# KiCad board TI-CUBE-Protoboard.kicad_pcb
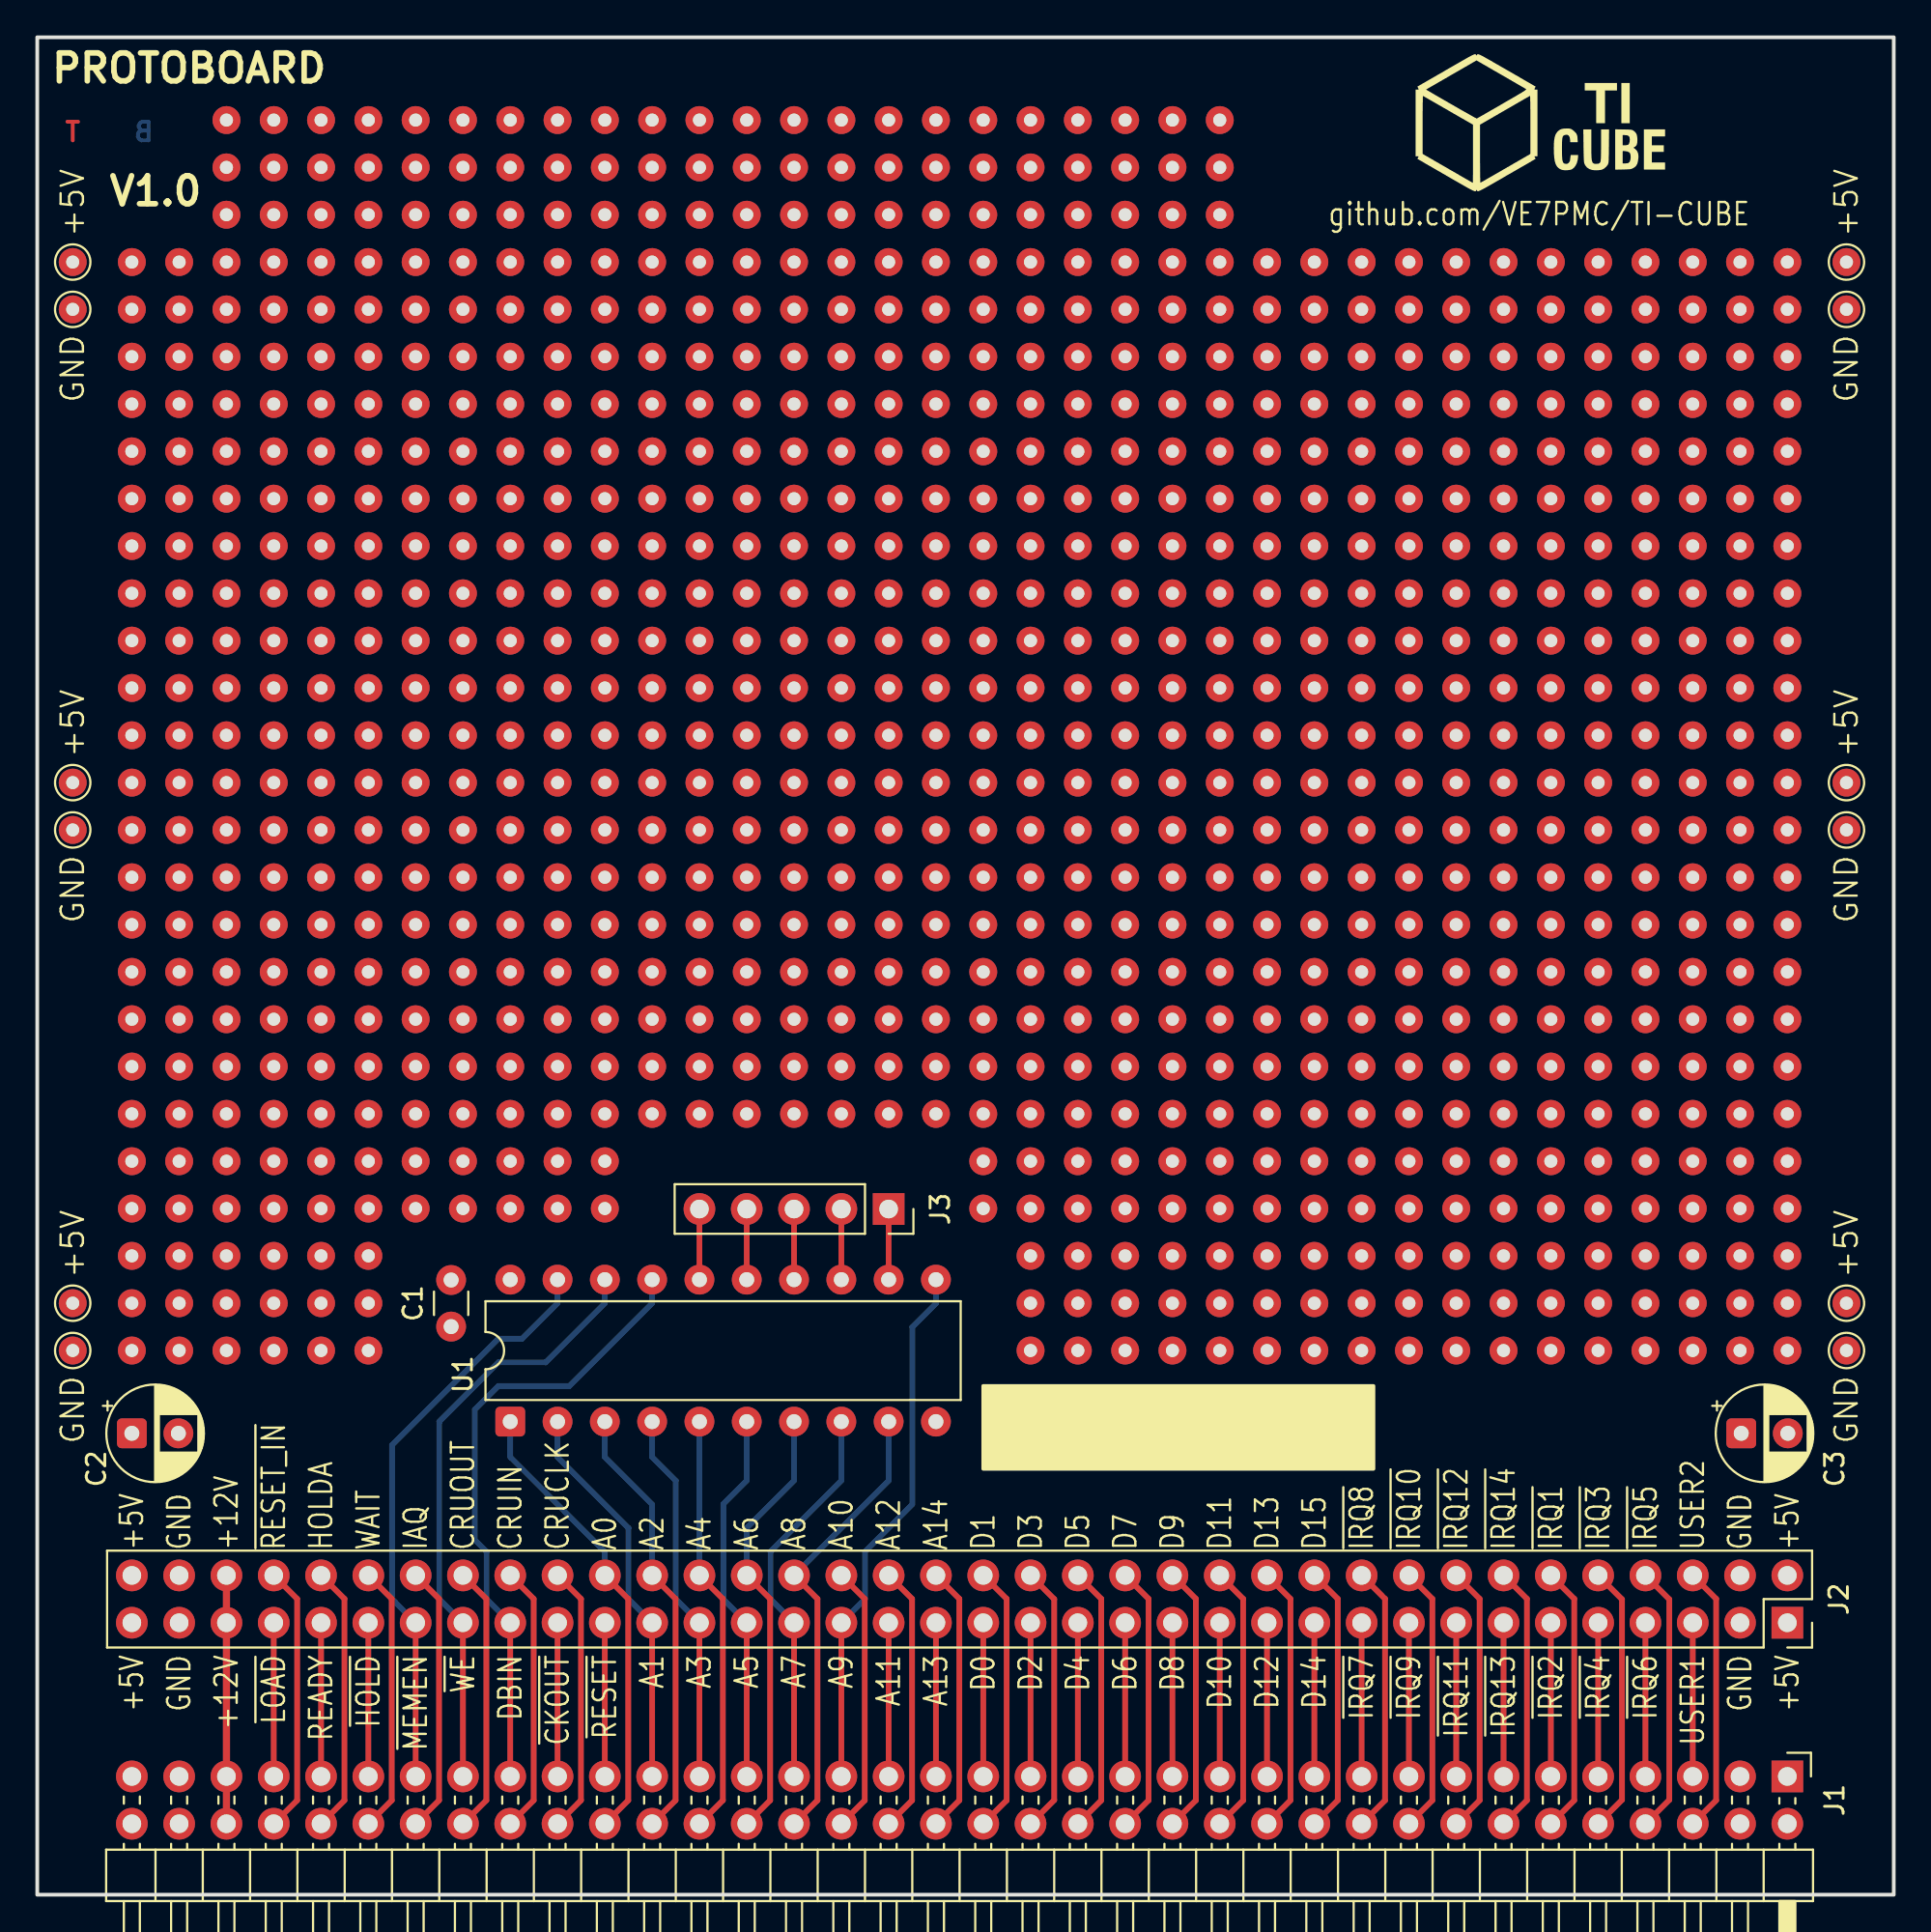
[diagram p0: board, top side]
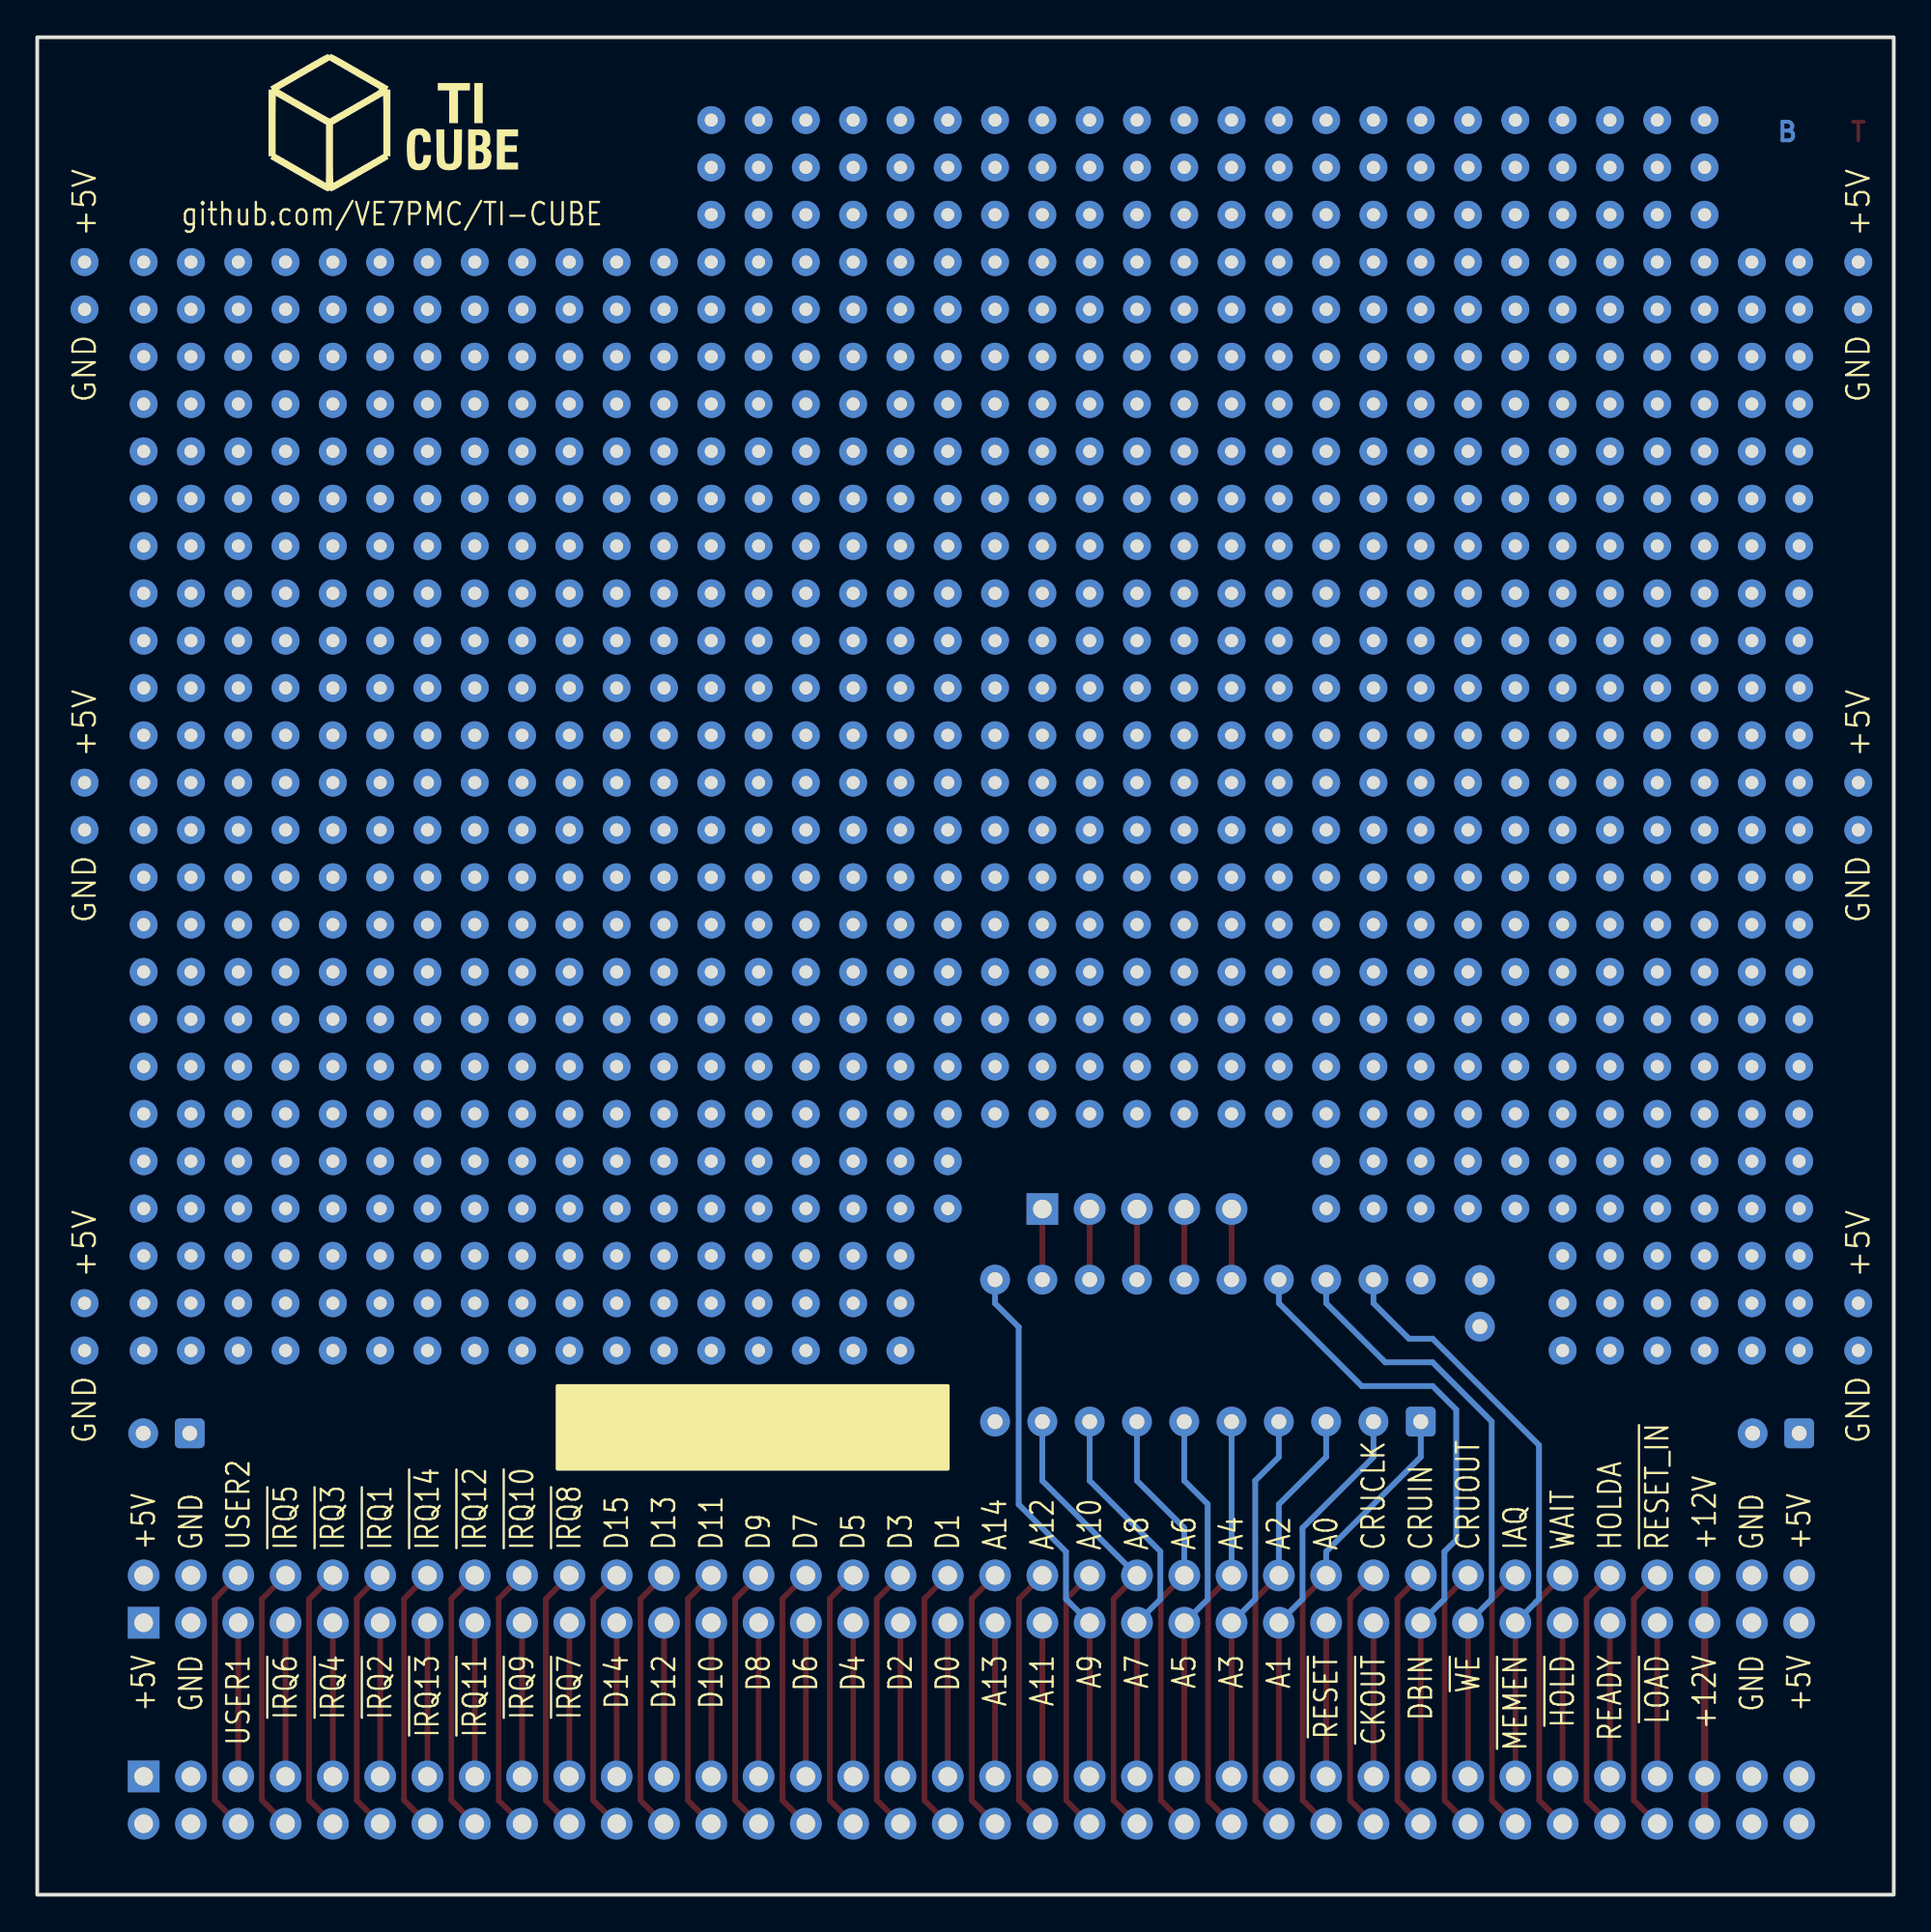
[diagram p1: board, bottom side, seen from below]

Outline 99.7 x 99.7 mm; copper layers: Top, In1.Cu (plane), In2.Cu (plane), Bottom. Coordinates in mm from the lower left corner of the outline.
Outline path: rectangle 0,99.7 99.7,0
Stack: Top 0.035mm / dielectric 0.1mm FR4 er 4.5 / In1.Cu 0.035mm / dielectric 1.24mm FR4 er 4.5 / In2.Cu 0.035mm / dielectric 0.1mm FR4 er 4.5 / Bottom 0.035mm

## Placement (name value [footprint] x y rotation side)
C1  0.1 uF  [C_Ceramic_Cap_P2.50mm]  22.23 30.49 90 top
C2  47 uF  [CP_Radial_D5.0mm_P2.50mm]  5.08 24.77 0 top
C3  47 uF  [CP_Radial_D5.0mm_P2.50mm]  91.5 24.77 0 top
G***  LOGO  [TI CUBE logo]  80.64 95.25 0 top
G***#2  LOGO  [TI CUBE logo]  80.64 95.25 180 bottom
GND1  GND  [TestPoint_THTPad_D1.5mm_Drill0.7mm]  97.16 85.09 0 top
GND2  GND  [TestPoint_THTPad_D1.5mm_Drill0.7mm]  97.16 57.15 0 top
GND3  GND  [TestPoint_THTPad_D1.5mm_Drill0.7mm]  97.16 29.21 0 top
GND4  GND  [TestPoint_THTPad_D1.5mm_Drill0.7mm]  1.91 85.09 0 top
GND5  GND  [TestPoint_THTPad_D1.5mm_Drill0.7mm]  1.91 57.15 0 top
GND6  GND  [TestPoint_THTPad_D1.5mm_Drill0.7mm]  1.91 29.21 0 top
J1  TI CUBE bus  [PinHeader_2x36_P2.54mm_Horizontal]  93.98 6.35 270 top
J2  Proto bus  [PinSocket_2x36_P2.54mm_Vertical]  93.98 14.6 270 top
J3  Conn_01x05  [PinSocket_1x05_P2.54mm_Vertical]  45.72 36.81 270 top
PWR1  +5V  [TestPoint_THTPad_D1.5mm_Drill0.7mm]  97.16 87.63 0 top
PWR2  +5V  [TestPoint_THTPad_D1.5mm_Drill0.7mm]  97.16 59.69 0 top
PWR3  +5V  [TestPoint_THTPad_D1.5mm_Drill0.7mm]  97.16 31.75 0 top
PWR4  +5V  [TestPoint_THTPad_D1.5mm_Drill0.7mm]  1.91 87.63 0 top
PWR5  +5V  [TestPoint_THTPad_D1.5mm_Drill0.7mm]  1.91 59.69 0 top
PWR6  +5V  [TestPoint_THTPad_D1.5mm_Drill0.7mm]  1.91 31.75 0 top
REF**  -  [TestPoint_THTPad_D1.5mm_Drill0.7mm]  43.18 87.63 0 top
REF**#2  -  [TestPoint_THTPad_D1.5mm_Drill0.7mm]  83.82 80.01 0 top
REF**#3  -  [TestPoint_THTPad_D1.5mm_Drill0.7mm]  88.9 52.07 0 top
REF**#4  -  [TestPoint_THTPad_D1.5mm_Drill0.7mm]  71.12 29.21 0 top
REF**#5  -  [TestPoint_THTPad_D1.5mm_Drill0.7mm]  20.32 67.31 0 top
REF**#6  -  [TestPoint_THTPad_D1.5mm_Drill0.7mm]  27.94 46.99 0 top
REF**#7  -  [TestPoint_THTPad_D1.5mm_Drill0.7mm]  10.16 34.29 0 top
REF**#8  -  [TestPoint_THTPad_D1.5mm_Drill0.7mm]  50.8 44.45 0 top
REF**#9  -  [TestPoint_THTPad_D1.5mm_Drill0.7mm]  76.2 57.15 0 top
REF**#10  -  [TestPoint_THTPad_D1.5mm_Drill0.7mm]  68.58 69.85 0 top
REF**#11  -  [TestPoint_THTPad_D1.5mm_Drill0.7mm]  53.34 59.69 0 top
REF**#12  -  [TestPoint_THTPad_D1.5mm_Drill0.7mm]  15.24 44.45 0 top
REF**#13  -  [TestPoint_THTPad_D1.5mm_Drill0.7mm]  48.26 85.09 0 top
REF**#14  -  [TestPoint_THTPad_D1.5mm_Drill0.7mm]  27.94 36.83 0 top
REF**#15  -  [TestPoint_THTPad_D1.5mm_Drill0.7mm]  25.4 77.47 0 top
REF**#16  -  [TestPoint_THTPad_D1.5mm_Drill0.7mm]  53.34 90.17 0 top
REF**#17  -  [TestPoint_THTPad_D1.5mm_Drill0.7mm]  10.16 31.75 0 top
REF**#18  -  [TestPoint_THTPad_D1.5mm_Drill0.7mm]  76.2 31.75 0 top
REF**#19  -  [TestPoint_THTPad_D1.5mm_Drill0.7mm]  12.7 87.63 0 top
REF**#20  -  [TestPoint_THTPad_D1.5mm_Drill0.7mm]  55.88 41.91 0 top
REF**#21  -  [TestPoint_THTPad_D1.5mm_Drill0.7mm]  78.74 34.29 0 top
REF**#22  -  [TestPoint_THTPad_D1.5mm_Drill0.7mm]  73.66 57.15 0 top
REF**#23  -  [TestPoint_THTPad_D1.5mm_Drill0.7mm]  15.24 39.37 0 top
REF**#24  -  [TestPoint_THTPad_D1.5mm_Drill0.7mm]  27.94 69.85 0 top
REF**#25  -  [TestPoint_THTPad_D1.5mm_Drill0.7mm]  86.36 29.21 0 top
REF**#26  -  [TestPoint_THTPad_D1.5mm_Drill0.7mm]  66.04 72.39 0 top
REF**#27  -  [TestPoint_THTPad_D1.5mm_Drill0.7mm]  10.16 46.99 0 top
REF**#28  -  [TestPoint_THTPad_D1.5mm_Drill0.7mm]  93.98 69.85 0 top
REF**#29  -  [TestPoint_THTPad_D1.5mm_Drill0.7mm]  53.34 69.85 0 top
REF**#30  -  [TestPoint_THTPad_D1.5mm_Drill0.7mm]  48.26 74.93 0 top
REF**#31  -  [TestPoint_THTPad_D1.5mm_Drill0.7mm]  15.24 54.61 0 top
REF**#32  -  [TestPoint_THTPad_D1.5mm_Drill0.7mm]  71.12 87.63 0 top
REF**#33  -  [TestPoint_THTPad_D1.5mm_Drill0.7mm]  73.66 31.75 0 top
REF**#34  -  [TestPoint_THTPad_D1.5mm_Drill0.7mm]  10.16 74.93 0 top
REF**#35  -  [TestPoint_THTPad_D1.5mm_Drill0.7mm]  12.7 59.69 0 top
REF**#36  -  [TestPoint_THTPad_D1.5mm_Drill0.7mm]  33.02 92.71 0 top
REF**#37  -  [TestPoint_THTPad_D1.5mm_Drill0.7mm]  73.66 49.53 0 top
REF**#38  -  [TestPoint_THTPad_D1.5mm_Drill0.7mm]  30.48 46.99 0 top
REF**#39  -  [TestPoint_THTPad_D1.5mm_Drill0.7mm]  15.24 80.01 0 top
REF**#40  -  [TestPoint_THTPad_D1.5mm_Drill0.7mm]  73.66 59.69 0 top
REF**#41  -  [TestPoint_THTPad_D1.5mm_Drill0.7mm]  55.88 36.83 0 top
REF**#42  -  [TestPoint_THTPad_D1.5mm_Drill0.7mm]  40.64 80.01 0 top
REF**#43  -  [TestPoint_THTPad_D1.5mm_Drill0.7mm]  66.04 67.31 0 top
REF**#44  -  [TestPoint_THTPad_D1.5mm_Drill0.7mm]  91.44 46.99 0 top
REF**#45  -  [TestPoint_THTPad_D1.5mm_Drill0.7mm]  73.66 67.31 0 top
REF**#46  -  [TestPoint_THTPad_D1.5mm_Drill0.7mm]  63.5 59.69 0 top
REF**#47  -  [TestPoint_THTPad_D1.5mm_Drill0.7mm]  12.7 62.23 0 top
REF**#48  -  [TestPoint_THTPad_D1.5mm_Drill0.7mm]  86.36 39.37 0 top
REF**#49  -  [TestPoint_THTPad_D1.5mm_Drill0.7mm]  30.48 80.01 0 top
REF**#50  -  [TestPoint_THTPad_D1.5mm_Drill0.7mm]  38.1 82.55 0 top
REF**#51  -  [TestPoint_THTPad_D1.5mm_Drill0.7mm]  43.18 69.85 0 top
REF**#52  -  [TestPoint_THTPad_D1.5mm_Drill0.7mm]  45.72 46.99 0 top
REF**#53  -  [TestPoint_THTPad_D1.5mm_Drill0.7mm]  22.86 85.09 0 top
REF**#54  -  [TestPoint_THTPad_D1.5mm_Drill0.7mm]  40.64 54.61 0 top
REF**#55  -  [TestPoint_THTPad_D1.5mm_Drill0.7mm]  50.8 82.55 0 top
REF**#56  -  [TestPoint_THTPad_D1.5mm_Drill0.7mm]  25.4 54.61 0 top
REF**#57  -  [TestPoint_THTPad_D1.5mm_Drill0.7mm]  20.32 82.55 0 top
REF**#58  -  [TestPoint_THTPad_D1.5mm_Drill0.7mm]  48.26 80.01 0 top
REF**#59  -  [TestPoint_THTPad_D1.5mm_Drill0.7mm]  5.08 31.75 0 top
REF**#60  -  [TestPoint_THTPad_D1.5mm_Drill0.7mm]  25.4 36.83 0 top
REF**#61  -  [TestPoint_THTPad_D1.5mm_Drill0.7mm]  25.4 59.69 0 top
REF**#62  -  [TestPoint_THTPad_D1.5mm_Drill0.7mm]  60.96 29.21 0 top
REF**#63  -  [TestPoint_THTPad_D1.5mm_Drill0.7mm]  35.56 46.99 0 top
REF**#64  -  [TestPoint_THTPad_D1.5mm_Drill0.7mm]  17.78 95.25 0 top
REF**#65  -  [TestPoint_THTPad_D1.5mm_Drill0.7mm]  60.96 39.37 0 top
REF**#66  -  [TestPoint_THTPad_D1.5mm_Drill0.7mm]  73.66 72.39 0 top
REF**#67  -  [TestPoint_THTPad_D1.5mm_Drill0.7mm]  7.62 77.47 0 top
REF**#68  -  [TestPoint_THTPad_D1.5mm_Drill0.7mm]  48.26 90.17 0 top
REF**#69  -  [TestPoint_THTPad_D1.5mm_Drill0.7mm]  7.62 82.55 0 top
REF**#70  -  [TestPoint_THTPad_D1.5mm_Drill0.7mm]  78.74 62.23 0 top
REF**#71  -  [TestPoint_THTPad_D1.5mm_Drill0.7mm]  68.58 49.53 0 top
REF**#72  -  [TestPoint_THTPad_D1.5mm_Drill0.7mm]  53.34 52.07 0 top
REF**#73  -  [TestPoint_THTPad_D1.5mm_Drill0.7mm]  30.48 62.23 0 top
REF**#74  -  [TestPoint_THTPad_D1.5mm_Drill0.7mm]  83.82 39.37 0 top
REF**#75  -  [TestPoint_THTPad_D1.5mm_Drill0.7mm]  91.44 29.21 0 top
REF**#76  -  [TestPoint_THTPad_D1.5mm_Drill0.7mm]  40.64 87.63 0 top
REF**#77  -  [TestPoint_THTPad_D1.5mm_Drill0.7mm]  63.5 36.83 0 top
REF**#78  -  [TestPoint_THTPad_D1.5mm_Drill0.7mm]  27.94 77.47 0 top
REF**#79  -  [TestPoint_THTPad_D1.5mm_Drill0.7mm]  17.78 80.01 0 top
REF**#80  -  [TestPoint_THTPad_D1.5mm_Drill0.7mm]  60.96 44.45 0 top
REF**#81  -  [TestPoint_THTPad_D1.5mm_Drill0.7mm]  30.48 41.91 0 top
REF**#82  -  [TestPoint_THTPad_D1.5mm_Drill0.7mm]  50.8 77.47 0 top
REF**#83  -  [TestPoint_THTPad_D1.5mm_Drill0.7mm]  5.08 36.83 0 top
REF**#84  -  [TestPoint_THTPad_D1.5mm_Drill0.7mm]  68.58 85.09 0 top
REF**#85  -  [TestPoint_THTPad_D1.5mm_Drill0.7mm]  78.74 31.75 0 top
REF**#86  -  [TestPoint_THTPad_D1.5mm_Drill0.7mm]  30.48 52.07 0 top
REF**#87  -  [TestPoint_THTPad_D1.5mm_Drill0.7mm]  60.96 69.85 0 top
REF**#88  -  [TestPoint_THTPad_D1.5mm_Drill0.7mm]  83.82 41.91 0 top
REF**#89  -  [TestPoint_THTPad_D1.5mm_Drill0.7mm]  43.18 72.39 0 top
REF**#90  -  [TestPoint_THTPad_D1.5mm_Drill0.7mm]  53.34 62.23 0 top
REF**#91  -  [TestPoint_THTPad_D1.5mm_Drill0.7mm]  7.62 49.53 0 top
REF**#92  -  [TestPoint_THTPad_D1.5mm_Drill0.7mm]  30.48 92.71 0 top
REF**#93  -  [TestPoint_THTPad_D1.5mm_Drill0.7mm]  86.36 41.91 0 top
REF**#94  -  [TestPoint_THTPad_D1.5mm_Drill0.7mm]  27.94 80.01 0 top
REF**#95  -  [TestPoint_THTPad_D1.5mm_Drill0.7mm]  86.36 69.85 0 top
REF**#96  -  [TestPoint_THTPad_D1.5mm_Drill0.7mm]  55.88 49.53 0 top
REF**#97  -  [TestPoint_THTPad_D1.5mm_Drill0.7mm]  38.1 92.71 0 top
REF**#98  -  [TestPoint_THTPad_D1.5mm_Drill0.7mm]  22.86 44.45 0 top
REF**#99  -  [TestPoint_THTPad_D1.5mm_Drill0.7mm]  35.56 54.61 0 top
REF**#100  -  [TestPoint_THTPad_D1.5mm_Drill0.7mm]  71.12 77.47 0 top
REF**#101  -  [TestPoint_THTPad_D1.5mm_Drill0.7mm]  48.26 44.45 0 top
REF**#102  -  [TestPoint_THTPad_D1.5mm_Drill0.7mm]  27.94 49.53 0 top
REF**#103  -  [TestPoint_THTPad_D1.5mm_Drill0.7mm]  68.58 44.45 0 top
REF**#104  -  [TestPoint_THTPad_D1.5mm_Drill0.7mm]  88.9 82.55 0 top
REF**#105  -  [TestPoint_THTPad_D1.5mm_Drill0.7mm]  22.86 62.23 0 top
REF**#106  -  [TestPoint_THTPad_D1.5mm_Drill0.7mm]  7.62 29.21 0 top
REF**#107  -  [TestPoint_THTPad_D1.5mm_Drill0.7mm]  83.82 31.75 0 top
REF**#108  -  [TestPoint_THTPad_D1.5mm_Drill0.7mm]  12.7 82.55 0 top
REF**#109  -  [TestPoint_THTPad_D1.5mm_Drill0.7mm]  93.98 74.93 0 top
REF**#110  -  [TestPoint_THTPad_D1.5mm_Drill0.7mm]  76.2 69.85 0 top
REF**#111  -  [TestPoint_THTPad_D1.5mm_Drill0.7mm]  83.82 87.63 0 top
REF**#112  -  [TestPoint_THTPad_D1.5mm_Drill0.7mm]  22.86 49.53 0 top
REF**#113  -  [TestPoint_THTPad_D1.5mm_Drill0.7mm]  35.56 69.85 0 top
REF**#114  -  [TestPoint_THTPad_D1.5mm_Drill0.7mm]  81.28 72.39 0 top
REF**#115  -  [TestPoint_THTPad_D1.5mm_Drill0.7mm]  78.74 82.55 0 top
REF**#116  -  [TestPoint_THTPad_D1.5mm_Drill0.7mm]  35.56 95.25 0 top
REF**#117  -  [TestPoint_THTPad_D1.5mm_Drill0.7mm]  73.66 62.23 0 top
REF**#118  -  [TestPoint_THTPad_D1.5mm_Drill0.7mm]  25.4 44.45 0 top
REF**#119  -  [TestPoint_THTPad_D1.5mm_Drill0.7mm]  17.78 82.55 0 top
REF**#120  -  [TestPoint_THTPad_D1.5mm_Drill0.7mm]  71.12 72.39 0 top
REF**#121  -  [TestPoint_THTPad_D1.5mm_Drill0.7mm]  10.16 29.21 0 top
REF**#122  -  [TestPoint_THTPad_D1.5mm_Drill0.7mm]  48.26 46.99 0 top
REF**#123  -  [TestPoint_THTPad_D1.5mm_Drill0.7mm]  86.36 85.09 0 top
REF**#124  -  [TestPoint_THTPad_D1.5mm_Drill0.7mm]  58.42 85.09 0 top
REF**#125  -  [TestPoint_THTPad_D1.5mm_Drill0.7mm]  27.94 82.55 0 top
REF**#126  -  [TestPoint_THTPad_D1.5mm_Drill0.7mm]  68.58 41.91 0 top
REF**#127  -  [TestPoint_THTPad_D1.5mm_Drill0.7mm]  25.4 85.09 0 top
REF**#128  -  [TestPoint_THTPad_D1.5mm_Drill0.7mm]  58.42 29.21 0 top
REF**#129  -  [TestPoint_THTPad_D1.5mm_Drill0.7mm]  20.32 90.17 0 top
REF**#130  -  [TestPoint_THTPad_D1.5mm_Drill0.7mm]  22.86 59.69 0 top
REF**#131  -  [TestPoint_THTPad_D1.5mm_Drill0.7mm]  12.7 67.31 0 top
REF**#132  -  [TestPoint_THTPad_D1.5mm_Drill0.7mm]  10.16 36.83 0 top
REF**#133  -  [TestPoint_THTPad_D1.5mm_Drill0.7mm]  45.72 92.71 0 top
REF**#134  -  [TestPoint_THTPad_D1.5mm_Drill0.7mm]  83.82 34.29 0 top
REF**#135  -  [TestPoint_THTPad_D1.5mm_Drill0.7mm]  17.78 67.31 0 top
REF**#136  -  [TestPoint_THTPad_D1.5mm_Drill0.7mm]  40.64 85.09 0 top
REF**#137  -  [TestPoint_THTPad_D1.5mm_Drill0.7mm]  10.16 69.85 0 top
REF**#138  -  [TestPoint_THTPad_D1.5mm_Drill0.7mm]  15.24 95.25 0 top
REF**#139  -  [TestPoint_THTPad_D1.5mm_Drill0.7mm]  25.4 64.77 0 top
REF**#140  -  [TestPoint_THTPad_D1.5mm_Drill0.7mm]  22.86 41.91 0 top
REF**#141  -  [TestPoint_THTPad_D1.5mm_Drill0.7mm]  53.34 80.01 0 top
REF**#142  -  [TestPoint_THTPad_D1.5mm_Drill0.7mm]  15.24 41.91 0 top
REF**#143  -  [TestPoint_THTPad_D1.5mm_Drill0.7mm]  5.08 57.15 0 top
REF**#144  -  [TestPoint_THTPad_D1.5mm_Drill0.7mm]  66.04 64.77 0 top
REF**#145  -  [TestPoint_THTPad_D1.5mm_Drill0.7mm]  86.36 59.69 0 top
REF**#146  -  [TestPoint_THTPad_D1.5mm_Drill0.7mm]  35.56 52.07 0 top
REF**#147  -  [TestPoint_THTPad_D1.5mm_Drill0.7mm]  12.7 34.29 0 top
REF**#148  -  [TestPoint_THTPad_D1.5mm_Drill0.7mm]  60.96 77.47 0 top
REF**#149  -  [TestPoint_THTPad_D1.5mm_Drill0.7mm]  58.42 54.61 0 top
REF**#150  -  [TestPoint_THTPad_D1.5mm_Drill0.7mm]  66.04 34.29 0 top
REF**#151  -  [TestPoint_THTPad_D1.5mm_Drill0.7mm]  76.2 39.37 0 top
REF**#152  -  [TestPoint_THTPad_D1.5mm_Drill0.7mm]  20.32 77.47 0 top
REF**#153  -  [TestPoint_THTPad_D1.5mm_Drill0.7mm]  10.16 41.91 0 top
REF**#154  -  [TestPoint_THTPad_D1.5mm_Drill0.7mm]  55.88 80.01 0 top
REF**#155  -  [TestPoint_THTPad_D1.5mm_Drill0.7mm]  25.4 62.23 0 top
REF**#156  -  [TestPoint_THTPad_D1.5mm_Drill0.7mm]  53.34 57.15 0 top
REF**#157  -  [TestPoint_THTPad_D1.5mm_Drill0.7mm]  78.74 85.09 0 top
REF**#158  -  [TestPoint_THTPad_D1.5mm_Drill0.7mm]  76.2 72.39 0 top
REF**#159  -  [TestPoint_THTPad_D1.5mm_Drill0.7mm]  60.96 36.83 0 top
REF**#160  -  [TestPoint_THTPad_D1.5mm_Drill0.7mm]  22.86 72.39 0 top
REF**#161  -  [TestPoint_THTPad_D1.5mm_Drill0.7mm]  55.88 72.39 0 top
REF**#162  -  [TestPoint_THTPad_D1.5mm_Drill0.7mm]  58.42 87.63 0 top
REF**#163  -  [TestPoint_THTPad_D1.5mm_Drill0.7mm]  55.88 34.29 0 top
REF**#164  -  [TestPoint_THTPad_D1.5mm_Drill0.7mm]  93.98 52.07 0 top
REF**#165  -  [TestPoint_THTPad_D1.5mm_Drill0.7mm]  7.62 69.85 0 top
REF**#166  -  [TestPoint_THTPad_D1.5mm_Drill0.7mm]  45.72 87.63 0 top
REF**#167  -  [TestPoint_THTPad_D1.5mm_Drill0.7mm]  17.78 69.85 0 top
REF**#168  -  [TestPoint_THTPad_D1.5mm_Drill0.7mm]  81.28 77.47 0 top
REF**#169  -  [TestPoint_THTPad_D1.5mm_Drill0.7mm]  25.4 41.91 0 top
REF**#170  -  [TestPoint_THTPad_D1.5mm_Drill0.7mm]  81.28 82.55 0 top
REF**#171  -  [TestPoint_THTPad_D1.5mm_Drill0.7mm]  86.36 36.83 0 top
REF**#172  -  [TestPoint_THTPad_D1.5mm_Drill0.7mm]  5.08 82.55 0 top
REF**#173  -  [TestPoint_THTPad_D1.5mm_Drill0.7mm]  81.28 54.61 0 top
REF**#174  -  [TestPoint_THTPad_D1.5mm_Drill0.7mm]  27.94 62.23 0 top
REF**#175  -  [TestPoint_THTPad_D1.5mm_Drill0.7mm]  12.7 57.15 0 top
REF**#176  -  [TestPoint_THTPad_D1.5mm_Drill0.7mm]  15.24 74.93 0 top
REF**#177  -  [TestPoint_THTPad_D1.5mm_Drill0.7mm]  55.88 87.63 0 top
REF**#178  -  [TestPoint_THTPad_D1.5mm_Drill0.7mm]  45.72 62.23 0 top
REF**#179  -  [TestPoint_THTPad_D1.5mm_Drill0.7mm]  58.42 77.47 0 top
REF**#180  -  [TestPoint_THTPad_D1.5mm_Drill0.7mm]  30.48 54.61 0 top
REF**#181  -  [TestPoint_THTPad_D1.5mm_Drill0.7mm]  83.82 52.07 0 top
REF**#182  -  [TestPoint_THTPad_D1.5mm_Drill0.7mm]  88.9 44.45 0 top
REF**#183  -  [TestPoint_THTPad_D1.5mm_Drill0.7mm]  91.44 64.77 0 top
REF**#184  -  [TestPoint_THTPad_D1.5mm_Drill0.7mm]  10.16 39.37 0 top
REF**#185  -  [TestPoint_THTPad_D1.5mm_Drill0.7mm]  45.72 74.93 0 top
REF**#186  -  [TestPoint_THTPad_D1.5mm_Drill0.7mm]  66.04 29.21 0 top
REF**#187  -  [TestPoint_THTPad_D1.5mm_Drill0.7mm]  50.8 41.91 0 top
REF**#188  -  [TestPoint_THTPad_D1.5mm_Drill0.7mm]  27.94 95.25 0 top
REF**#189  -  [TestPoint_THTPad_D1.5mm_Drill0.7mm]  60.96 34.29 0 top
REF**#190  -  [TestPoint_THTPad_D1.5mm_Drill0.7mm]  93.98 46.99 0 top
REF**#191  -  [TestPoint_THTPad_D1.5mm_Drill0.7mm]  5.08 41.91 0 top
REF**#192  -  [TestPoint_THTPad_D1.5mm_Drill0.7mm]  20.32 57.15 0 top
REF**#193  -  [TestPoint_THTPad_D1.5mm_Drill0.7mm]  15.24 72.39 0 top
REF**#194  -  [TestPoint_THTPad_D1.5mm_Drill0.7mm]  58.42 34.29 0 top
REF**#195  -  [TestPoint_THTPad_D1.5mm_Drill0.7mm]  43.18 44.45 0 top
REF**#196  -  [TestPoint_THTPad_D1.5mm_Drill0.7mm]  25.4 72.39 0 top
REF**#197  -  [TestPoint_THTPad_D1.5mm_Drill0.7mm]  20.32 62.23 0 top
REF**#198  -  [TestPoint_THTPad_D1.5mm_Drill0.7mm]  73.66 85.09 0 top
REF**#199  -  [TestPoint_THTPad_D1.5mm_Drill0.7mm]  71.12 52.07 0 top
REF**#200  -  [TestPoint_THTPad_D1.5mm_Drill0.7mm]  35.56 85.09 0 top
REF**#201  -  [TestPoint_THTPad_D1.5mm_Drill0.7mm]  43.18 95.25 0 top
REF**#202  -  [TestPoint_THTPad_D1.5mm_Drill0.7mm]  20.32 80.01 0 top
REF**#203  -  [TestPoint_THTPad_D1.5mm_Drill0.7mm]  58.42 44.45 0 top
REF**#204  -  [TestPoint_THTPad_D1.5mm_Drill0.7mm]  20.32 41.91 0 top
REF**#205  -  [TestPoint_THTPad_D1.5mm_Drill0.7mm]  81.28 67.31 0 top
REF**#206  -  [TestPoint_THTPad_D1.5mm_Drill0.7mm]  17.78 87.63 0 top
REF**#207  -  [TestPoint_THTPad_D1.5mm_Drill0.7mm]  91.44 80.01 0 top
REF**#208  -  [TestPoint_THTPad_D1.5mm_Drill0.7mm]  78.74 67.31 0 top
REF**#209  -  [TestPoint_THTPad_D1.5mm_Drill0.7mm]  15.24 64.77 0 top
REF**#210  -  [TestPoint_THTPad_D1.5mm_Drill0.7mm]  17.78 77.47 0 top
REF**#211  -  [TestPoint_THTPad_D1.5mm_Drill0.7mm]  43.18 41.91 0 top
REF**#212  -  [TestPoint_THTPad_D1.5mm_Drill0.7mm]  33.02 80.01 0 top
REF**#213  -  [TestPoint_THTPad_D1.5mm_Drill0.7mm]  50.8 87.63 0 top
REF**#214  -  [TestPoint_THTPad_D1.5mm_Drill0.7mm]  73.66 29.21 0 top
REF**#215  -  [TestPoint_THTPad_D1.5mm_Drill0.7mm]  25.4 87.63 0 top
REF**#216  -  [TestPoint_THTPad_D1.5mm_Drill0.7mm]  15.24 82.55 0 top
REF**#217  -  [TestPoint_THTPad_D1.5mm_Drill0.7mm]  38.1 85.09 0 top
REF**#218  -  [TestPoint_THTPad_D1.5mm_Drill0.7mm]  38.1 95.25 0 top
REF**#219  -  [TestPoint_THTPad_D1.5mm_Drill0.7mm]  50.8 72.39 0 top
REF**#220  -  [TestPoint_THTPad_D1.5mm_Drill0.7mm]  86.36 54.61 0 top
REF**#221  -  [TestPoint_THTPad_D1.5mm_Drill0.7mm]  68.58 34.29 0 top
REF**#222  -  [TestPoint_THTPad_D1.5mm_Drill0.7mm]  40.64 52.07 0 top
REF**#223  -  [TestPoint_THTPad_D1.5mm_Drill0.7mm]  45.72 67.31 0 top
REF**#224  -  [TestPoint_THTPad_D1.5mm_Drill0.7mm]  48.26 64.77 0 top
REF**#225  -  [TestPoint_THTPad_D1.5mm_Drill0.7mm]  30.48 67.31 0 top
REF**#226  -  [TestPoint_THTPad_D1.5mm_Drill0.7mm]  12.7 69.85 0 top
REF**#227  -  [TestPoint_THTPad_D1.5mm_Drill0.7mm]  66.04 82.55 0 top
REF**#228  -  [TestPoint_THTPad_D1.5mm_Drill0.7mm]  40.64 82.55 0 top
REF**#229  -  [TestPoint_THTPad_D1.5mm_Drill0.7mm]  78.74 57.15 0 top
REF**#230  -  [TestPoint_THTPad_D1.5mm_Drill0.7mm]  83.82 67.31 0 top
REF**#231  -  [TestPoint_THTPad_D1.5mm_Drill0.7mm]  93.98 87.63 0 top
REF**#232  -  [TestPoint_THTPad_D1.5mm_Drill0.7mm]  38.1 87.63 0 top
REF**#233  -  [TestPoint_THTPad_D1.5mm_Drill0.7mm]  68.58 77.47 0 top
REF**#234  -  [TestPoint_THTPad_D1.5mm_Drill0.7mm]  35.56 49.53 0 top
REF**#235  -  [TestPoint_THTPad_D1.5mm_Drill0.7mm]  88.9 41.91 0 top
REF**#236  -  [TestPoint_THTPad_D1.5mm_Drill0.7mm]  81.28 34.29 0 top
REF**#237  -  [TestPoint_THTPad_D1.5mm_Drill0.7mm]  5.08 46.99 0 top